# Altium PCB Cueing-PCB-Mk2_4302024.PcbDoc
Units mm, origin at the board's own origin, x right, y up, seen from the top; angles counter-clockwise.
Board outline 62.87 x 76.45 mm, 4 copper layers (Top Layer, Int1 (GND), Int2 (PWR), Bottom Layer), stack 1.586 mm thick; 109 components, 77 nets, 396 pads, 85 vias.
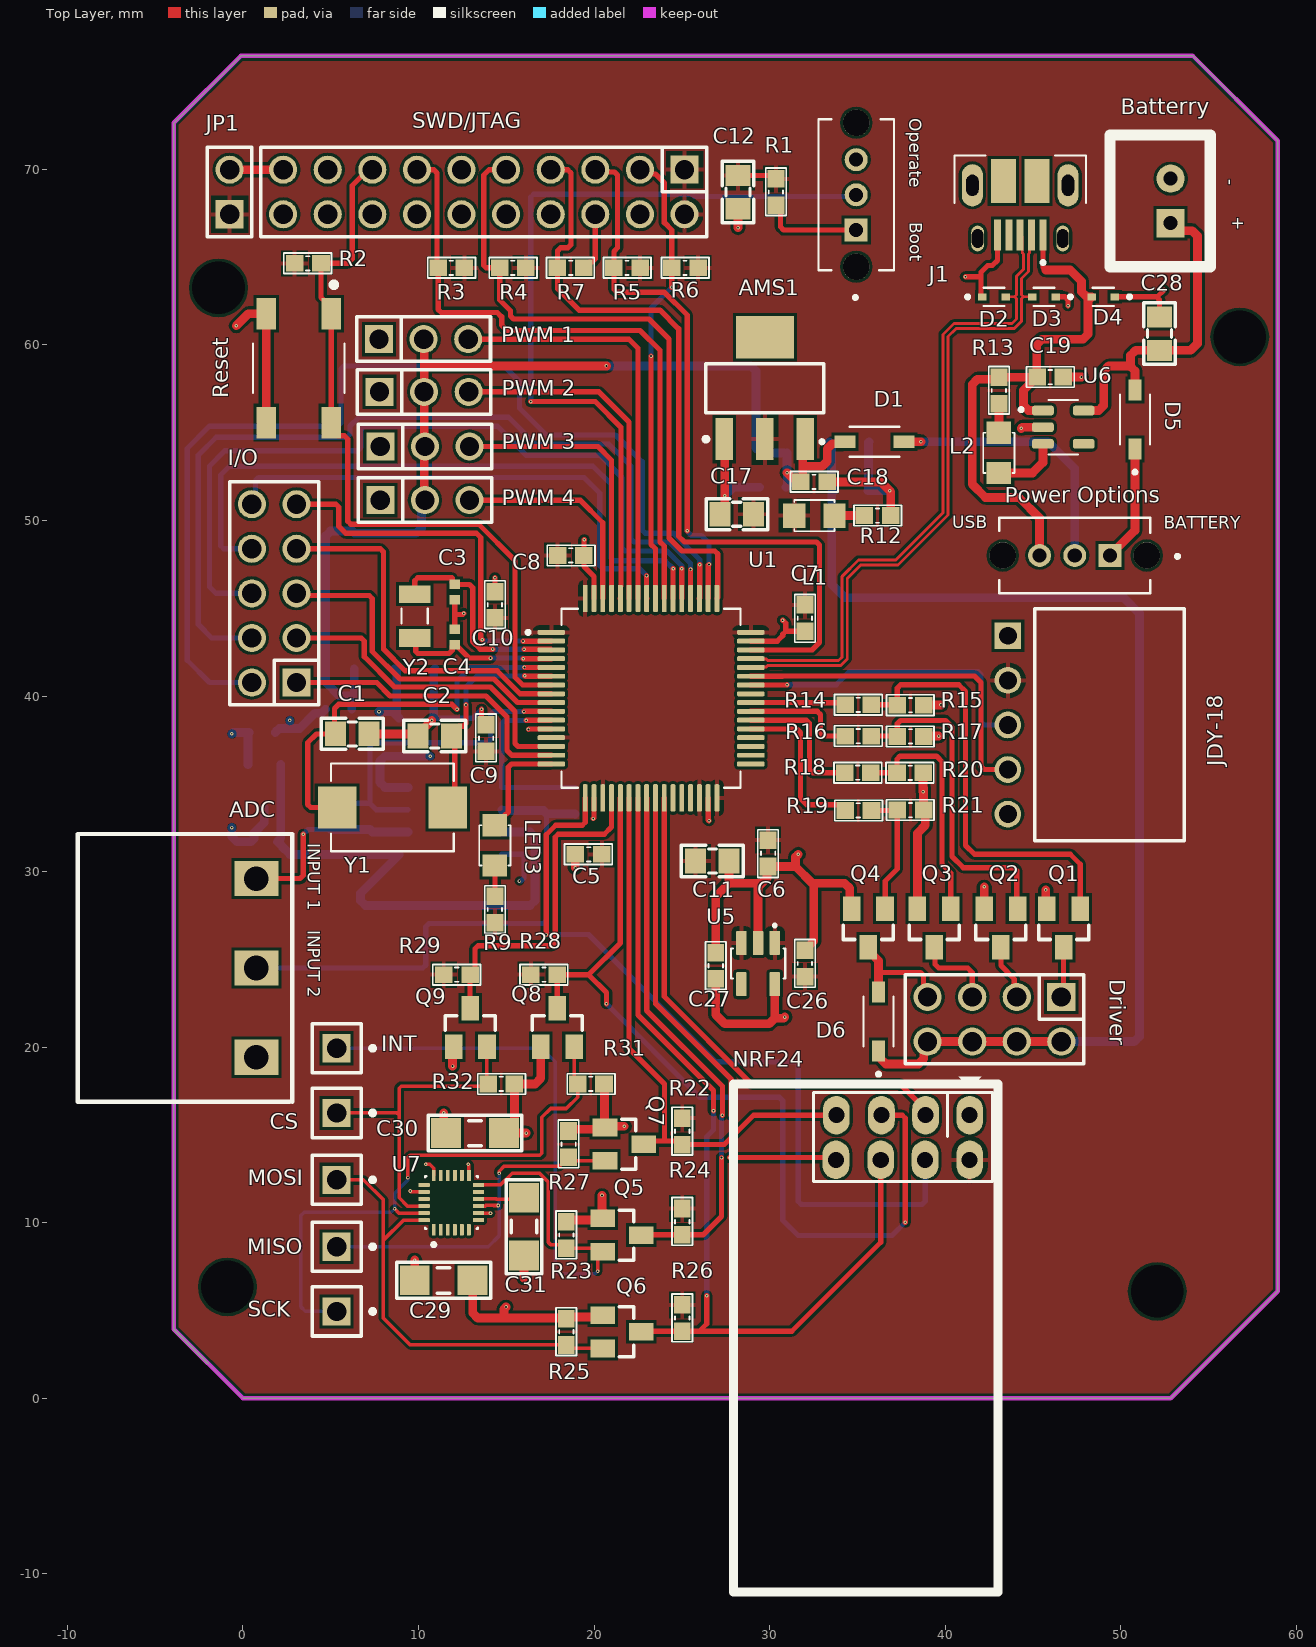
[diagram p0: Top Layer view]
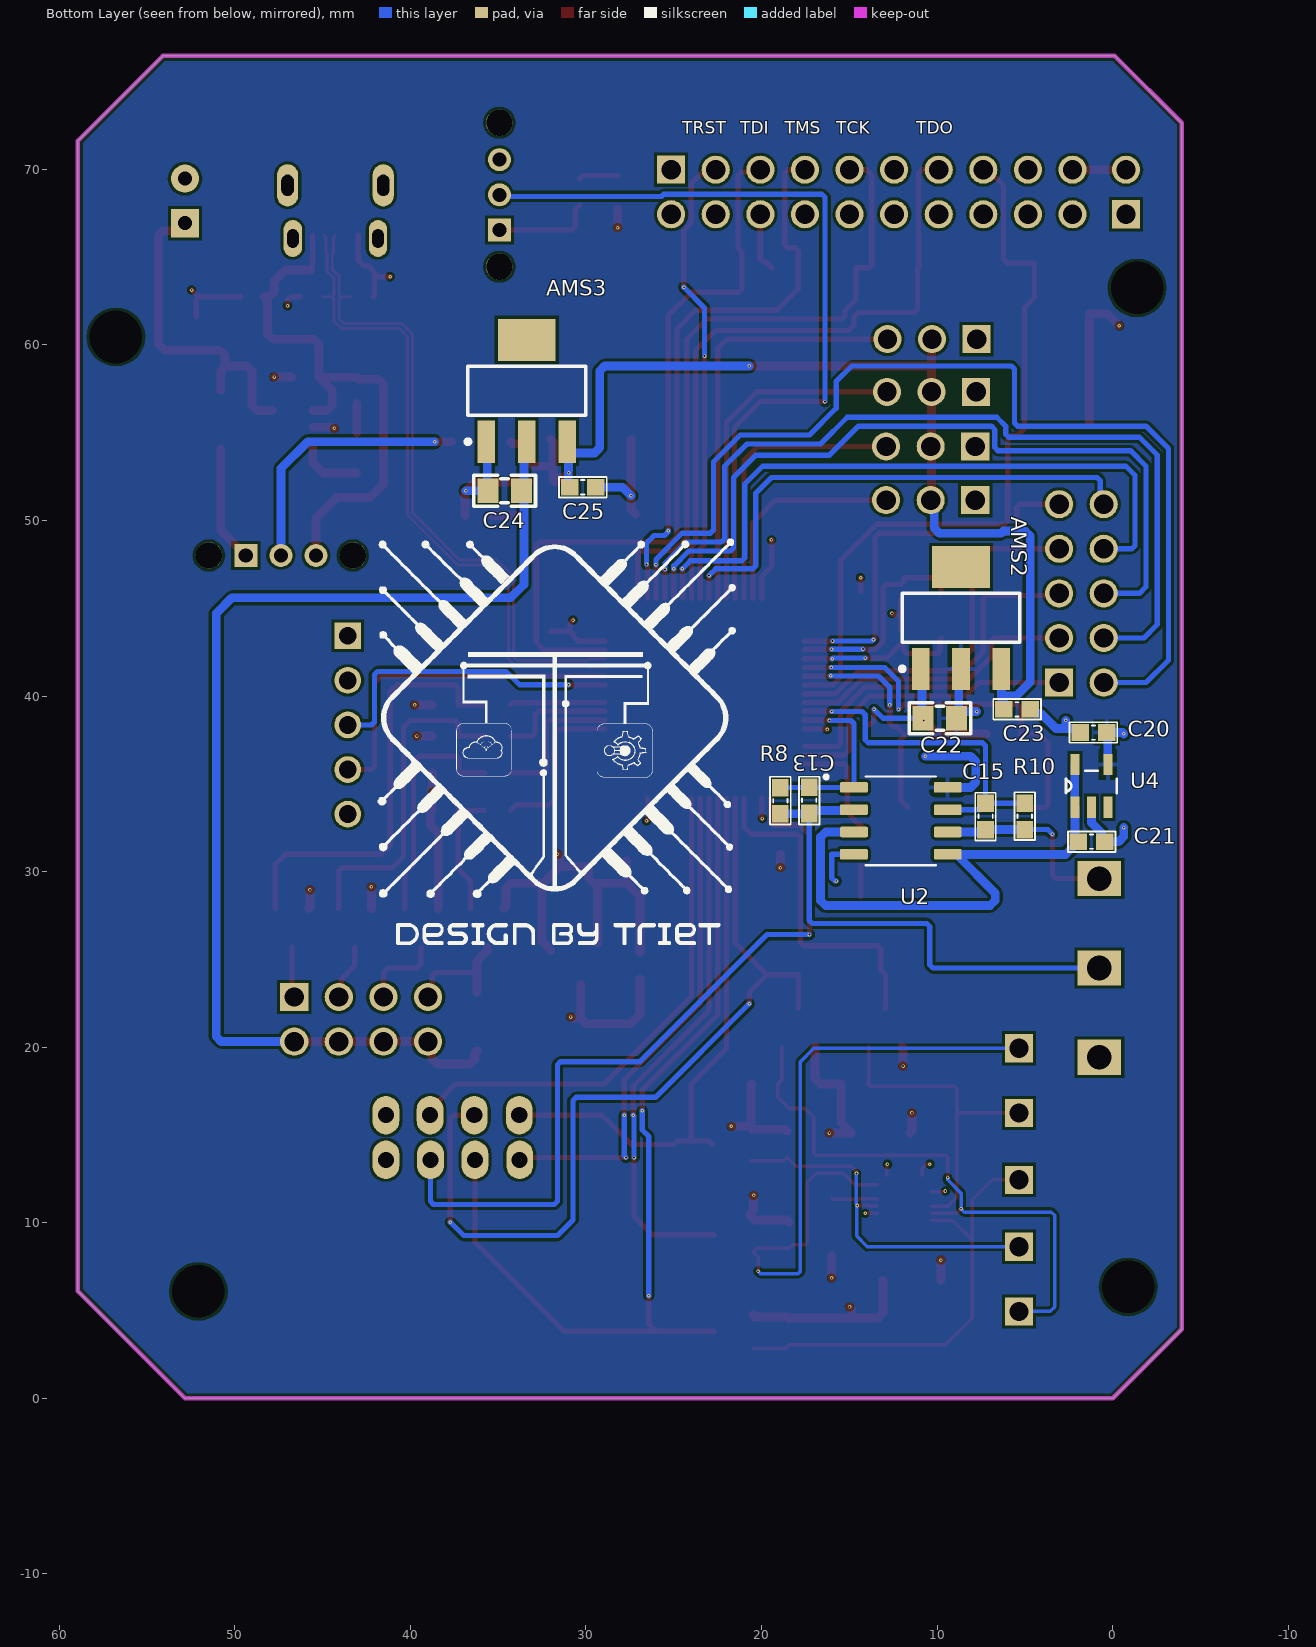
[diagram p1: Bottom Layer view, seen from below]
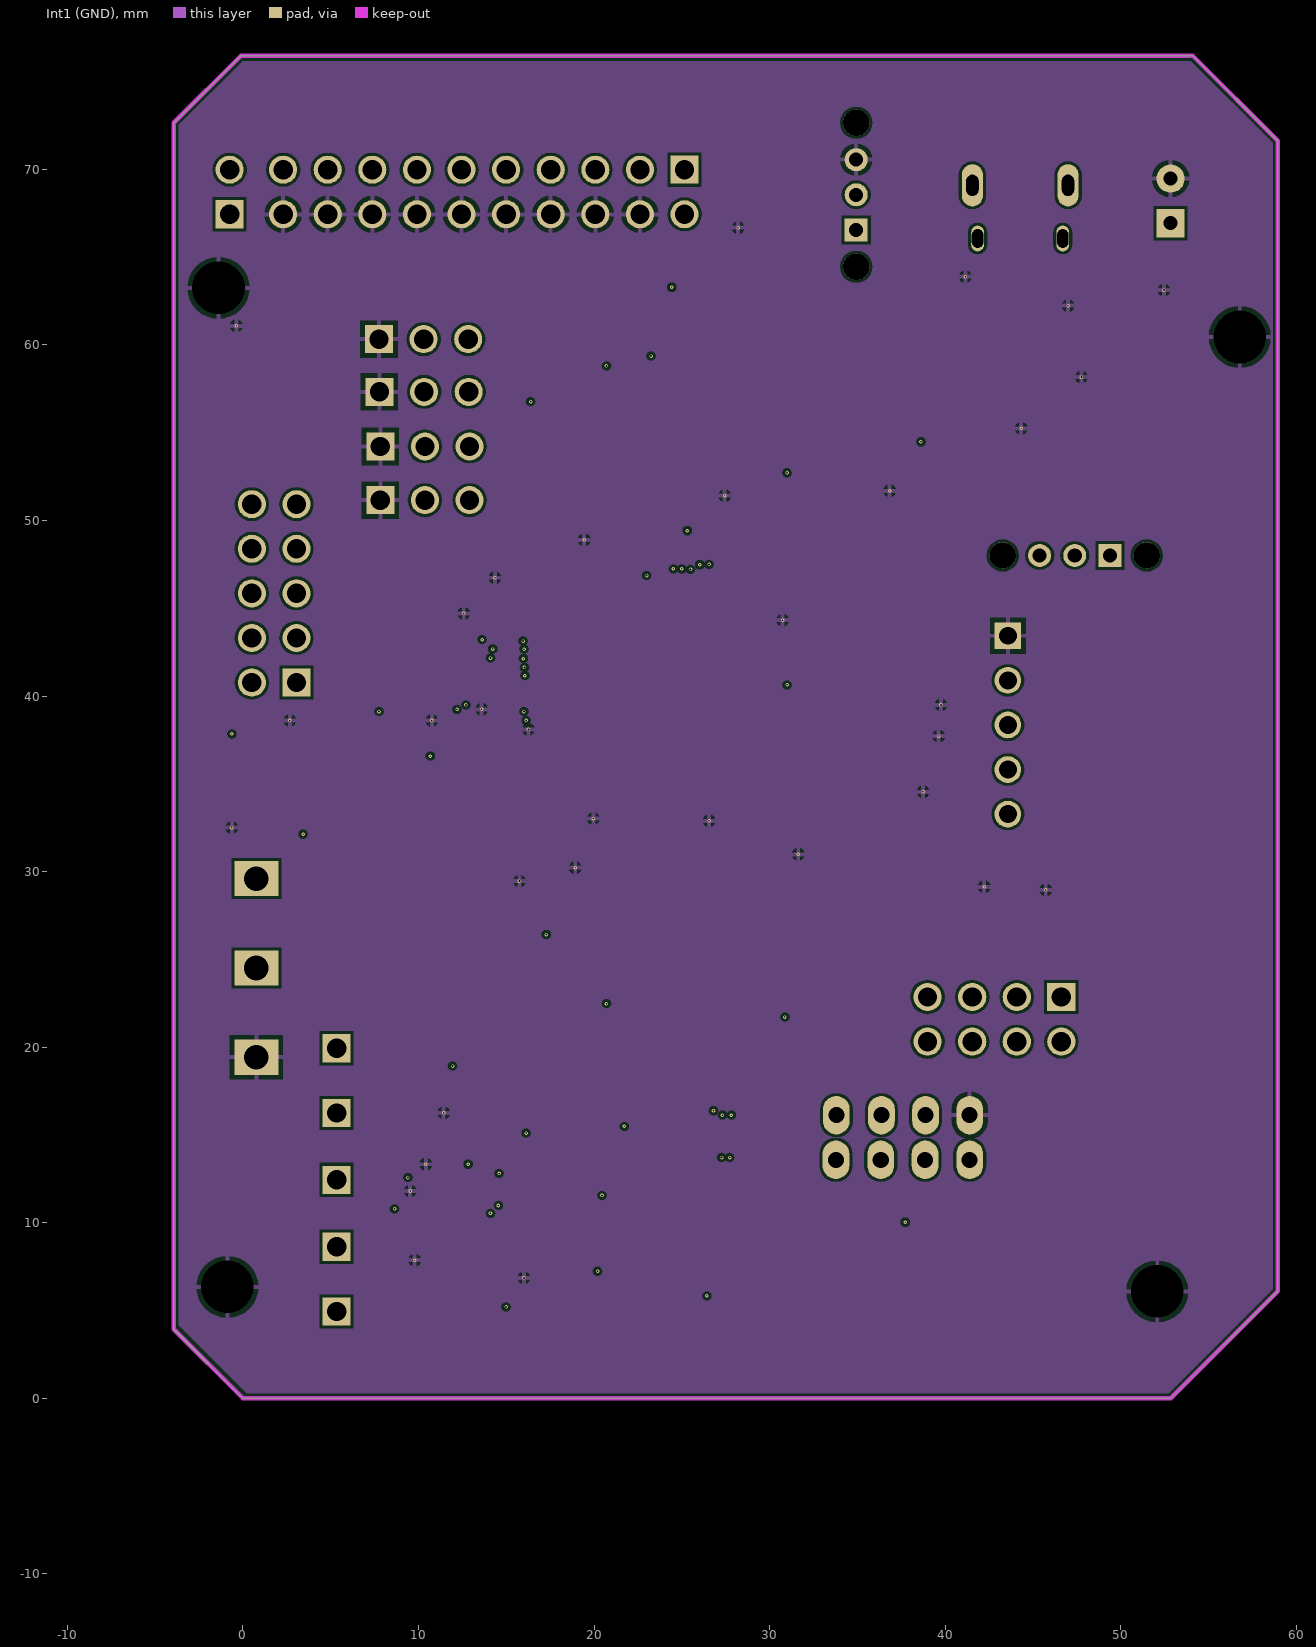
[diagram p2: Int1 (GND)]
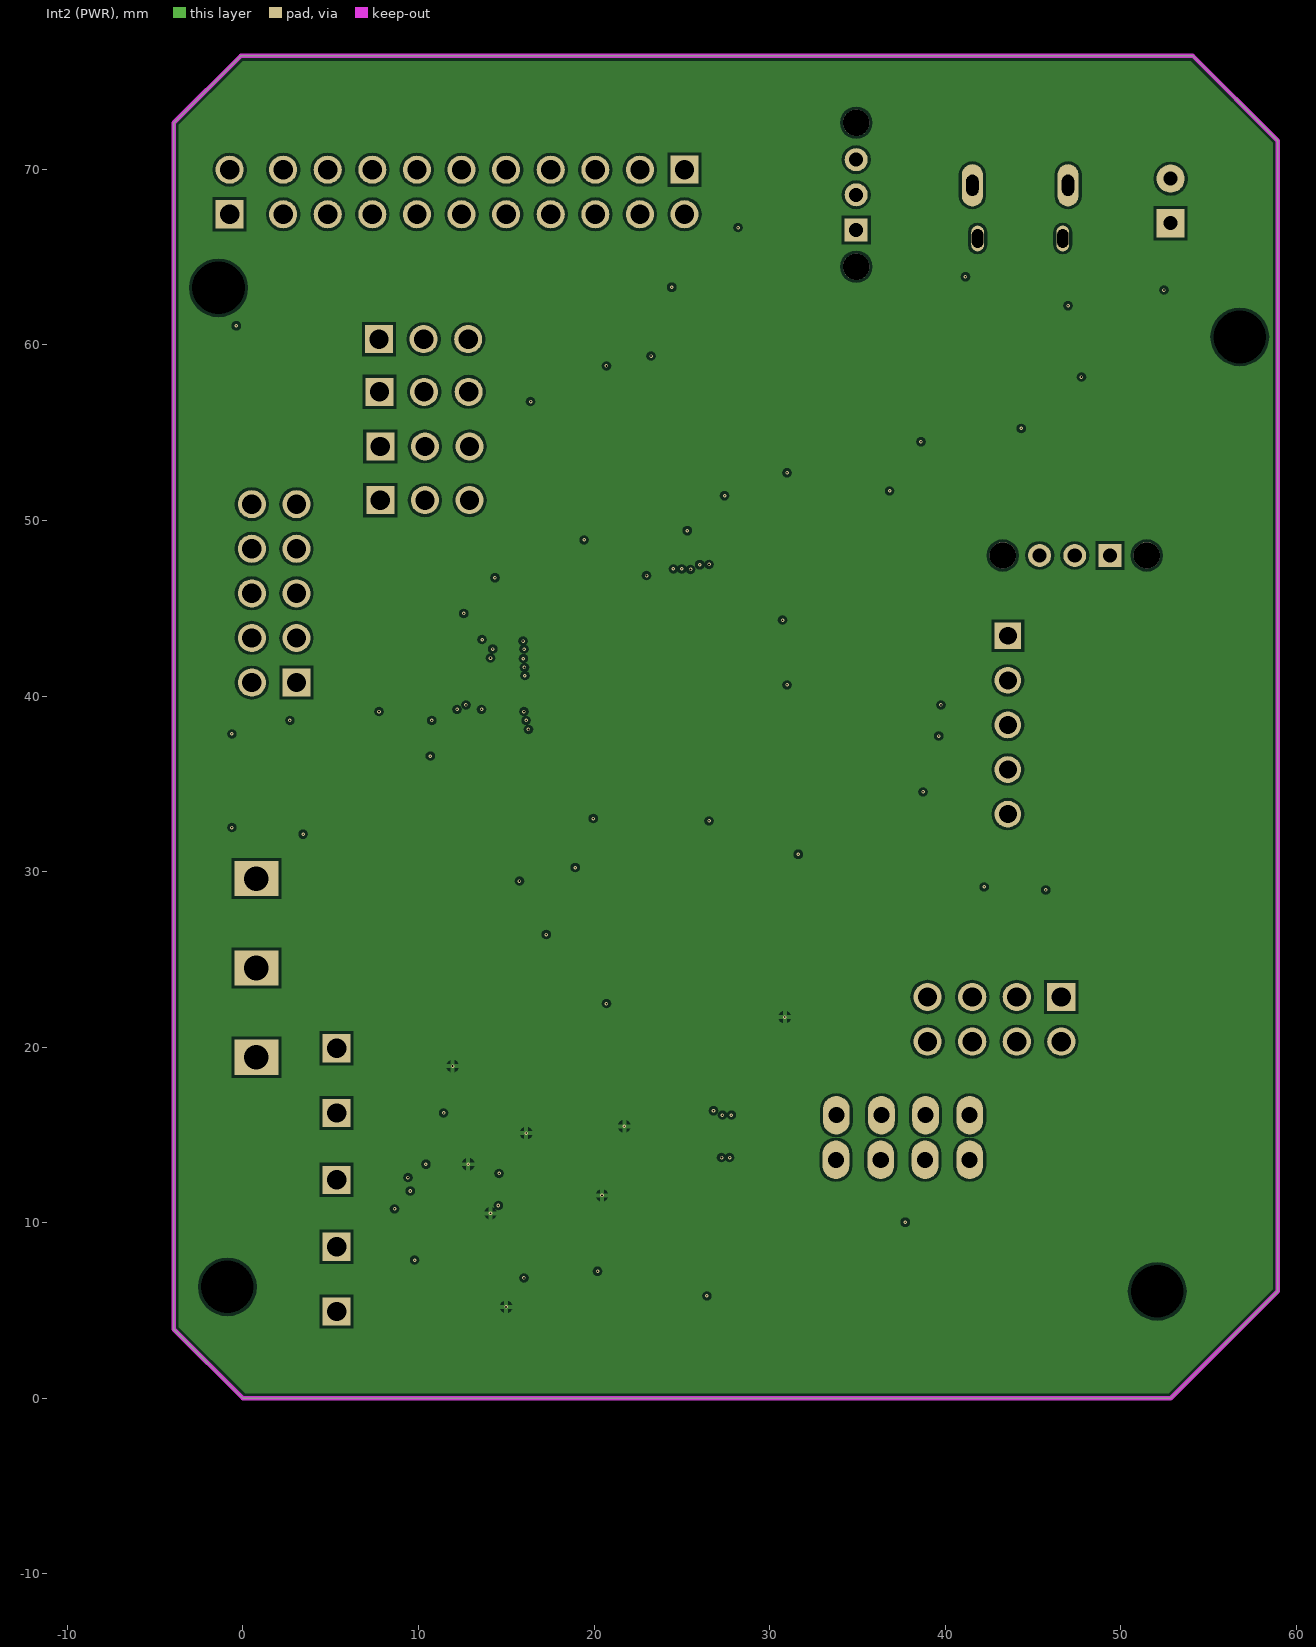
[diagram p3: Int2 (PWR)]

## Layer stack, top to bottom
Top Solder: solder mask 0.0254, SM-001, Dk 4
Top Layer: signal copper 0.035
Dielectric 1: prepreg 0.2104, PP-017, Dk 4.4
Int1 (GND): signal copper 0.0152
Dielectric 3: core 1.065, Core-039, Dk 4.6
Int2 (PWR): signal copper 0.0152
Dielectric 5: prepreg 0.2104, PP-017, Dk 4.4
Bottom Layer: signal copper 0.035
Bottom Solder: solder mask 0.0254, SM-001, Dk 4

## Board outline
-3.937,3.937 -3.937,72.644 -0.127,76.454 54.102,76.454 58.928,71.628 58.928,6.096 52.832,0 0,0

## Design rules (kind name [scope] priority, off if disabled: settings)
Clearance [All] p1: gap=0.16 ignorepadtopadclearanceinfootprint=FALSE
DiffPairsRouting [All] p1: maxlimit=0.254 minlimit=0.127 mostfreqgap=0.254 toplayer_maxgap=0.127 toplayer_prefgap=0.127 toplayer_minwidth=0.165 toplayer_maxwidth=0.165 toplayer_prefwidth=0.165 bottomlayer_maxgap=0.127 bottomlayer_prefgap=0.127 bottomlayer_minwidth=0.165 bottomlayer_maxwidth=0.165 bottomlayer_prefwidth=0.165 impedanceprofiledriven=TRUE impedanceprofileid={08362868-FA3C-41AC-94A4-46596695BF42} impedanceprofilevalue=90.000000 maxuncoupledlength=12.7
HoleSize [All] p1: absolutevalues=TRUE maxlimit=6 minlimit=0.01 maxpercent=80.000 minpercent=20.000
PolygonConnect [All] p1: connectstyle=Relief reliefconductorwidth=0.254 reliefentries=4 polygonreliefangle="90 Angle" airgapwidth=0.254
RoomDefinition Peripherial [InComponentClass('Peripherial')] p1: confinementstyle=ConfineIn formatcopy=TRUE lockcomponents=FALSE outline 106.172,21.209 255.397,21.209 255.397,53.721 106.172,53.721
RoomDefinition STM32_MCU [InComponentClass('STM32_MCU')] p2: confinementstyle=ConfineIn formatcopy=TRUE lockcomponents=FALSE outline 106.172,74.803 315.087,74.803 315.087,103.251 106.172,103.251
RoomDefinition PWR_SRC [InComponentClass('PWR_SRC')] p3: confinementstyle=ConfineIn formatcopy=TRUE lockcomponents=FALSE outline 106.172,55.118 296.418,55.118 296.418,73.533 106.172,73.533
RoomDefinition Driver [InComponentClass('Driver')] p4: confinementstyle=ConfineIn formatcopy=TRUE lockcomponents=FALSE outline 106.172,6.731 183.007,6.731 183.007,19.939 106.172,19.939
RoomDefinition ADC [InComponentClass('ADC')] p5: confinementstyle=ConfineIn formatcopy=TRUE lockcomponents=FALSE outline 106.172,-22.987 174.244,-22.987 174.244,5.461 106.172,5.461
RoutingVias [All] p1: holewidth=0.1 width=0.2 viastyle="Through Hole" minholewidth=0.1 minwidth=0.2 maxholewidth=0.1 maxwidth=0.2
SilkToSolderMaskClearance [IsText] p1: minsilkscreentomaskgap=0.254 clearancetoexposedcopper=TRUE
SolderMaskExpansion [All] p1: expansion=0.102 istentingtop=FALSE
Width [All] p1: maxlimit=0.5 minlimit=0.2 preferedwidth=0.3 midlayer1_minwidth=0.254 midlayer1_maxwidth=0.254 midlayer1_prefwidth=0.254 midlayer2_minwidth=0.254 midlayer2_maxwidth=0.254 midlayer2_prefwidth=0.254 minimp=50.000000 maximp=50.000000 favimp=50.000000
27 further rules are at their usual default settings.

## Classes and differential pairs
differential pair class diff90: USB
component class STM32_MCU: Boot C1 C2 C3 C4 C5 C6 C7 C8 C9 C10 C11 C12 I/O JP1 LED3 "PWM 1" "PWM 2" "PWM 3" "PWM 4" R1 R2 R3 R4 R5 R6 R7 R9 Reset SWD/JTAG U1 Y1 Y2
component class PWR_SRC: AMS1 AMS2 AMS3 Batterry C17 C18 C19 C20 C21 C22 C23 C24 C25 C26 C27 C28 D1 D2 D3 D4 D5 J1 L1 L2 mcu "Power Options" R12 R13 U4 U5 U6
component class Peripherial: C29 C30 C31 CS INT JDY-18 MISO MOSI NRF24 Q5 Q6 Q7 Q8 Q9 R22 R23 R24 R25 R26 R27 R28 R29 R31 R32 SCK U7
component class Driver: D6 Driver Q1 Q2 Q3 Q4 R14 R15 R16 R17 R18 R19 R20 R21
component class ADC: ADC C13 C15 R8 R10 U2
differential pair USB: +USB_P -USB_N

## Components (designator, comment, footprint, x,y, rotation, side; value= is the part's Value field where it differs from the comment)
ADC "CON 3 EDG5.08" "CON 3 3EDG5.08" 0.762,19.431 r90 top
AMS1 "AMS1117-3.3V" SOT223 29.718,57.531 r0 top value="AMS1117-3.3V SOT223"
AMS2 "AMS1117-3.3V" SOT223 8.636,44.45 r180 bottom value="AMS1117-3.3V SOT223"
AMS3 "AMS1117-3.3V" SOT223 33.368,57.384 r180 bottom value="AMS1117-3.3V SOT223"
Batterry "Batterry" XH2.54M-2 52.832,66.929 r90 top
Boot "OS102011MS2QN1" SW_OS102011MS2QN1 34.925,68.548 r90 top
C1 "20pF" "tu 0805" 6.223,37.846 r0 top
C2 "20pF" "tu 0805" 10.922,37.719 r180 top
C3 "GRM1555C1H120JA01D" CAPC1005X55N 12.065,45.926 r90 top
C4 "GRM1555C1H120JA01D" CAPC1005X55N 12.065,43.366 r270 top
C5 "103" "tu 0603" 19.685,30.988 r180 top
C6 "103" "tu 0603" 29.904,31.044 r270 top
C7 "103" "tu 0603" 32.004,44.438 r270 top
C8 "103" "tu 0603" 18.669,48.006 r0 top
C9 "103" "tu 0603" 13.843,37.604 r90 top
C10 "103" "tu 0603" 14.351,45.2 r90 top
C11 "225" "tu 0805" 26.727,30.61 r0 top
C12 "225" "tu 0805" 28.194,68.707 r270 top
C13 "470pF" "tu 0603" 17.287,34.061 r270 bottom
C15 "470pF" "tu 0603" 7.239,33.147 r270 bottom
C17 "224" "tu 0805" 28.123,50.351 r180 top
C18 "106" "tu 0603" 32.524,52.197 r0 top
C19 "106" "tu 0603" 45.974,58.166 r0 top
C20 "105" "tu 0603" 1.087,37.922 r0 bottom
C21 "105" "tu 0603" 1.202,31.705 r180 bottom
C22 "224" "tu 0805" 9.836,38.732 r0 bottom
C23 "106" "tu 0603" 5.449,39.243 r180 bottom
C24 "224" "tu 0805" 34.623,51.689 r0 bottom
C25 "106" "tu 0603" 30.18,51.891 r180 bottom
C26 "105" "tu 0603" 32.004,24.765 r90 top
C27 "105" "tu 0603" 26.924,24.638 r90 top
C28 "10pF" "tu 0805" 52.194,60.636 r90 top
C29 "104" "tu 1206" 11.431,6.731 r180 top
C30 "104" "tu 1206" 13.208,15.113 r180 top
C31 "104" "tu 1206" 16.002,9.779 r270 top
CS "JP 1x1 2.54" "JP 1x1 DT" 5.334,16.256 r270 top (schematic designator JP10)
D1 "1N5819HW-7-F" SOD3715X145N 35.97,54.483 r0 top
D2 "LESD5D5.0CT1G" TVS_LESD5D5.0CT1G 42.774,62.738 r0 top
D3 "LESD5D5.0CT1G" TVS_LESD5D5.0CT1G 45.618,62.738 r180 top
D4 "LESD5D5.0CT1G" TVS_LESD5D5.0CT1G 48.991,62.738 r180 top
D5 "1N5819HW-7-F" SOD3715X145N 50.8,55.753 r90 top
D6 "1N5819HW-7-F" SOD3715X145N 36.195,21.463 r90 top
Driver "JP 2x4 2.54" "JP 2x4 DT" 42.799,21.59 r180 top (schematic designator Driver1)
I/O "JP 2x5 2.54" "JP 2x5 DT" 1.778,45.847 r90 top (schematic designator I/O2)
INT "JP 1x1 2.54" "JP 1x1 DT" 5.334,19.939 r270 top (schematic designator JP6)
J1 "10103594-0001LF" AMPHENOL_10103594-0001LF 44.265,69.088 r180 top
JDY-18 "JP 1x5 2.54" "JP 1x5 CC" 43.561,38.354 r270 top
JP1 "JP 1x2 2.54" "JP 1x2 DT" -0.762,67.437 r90 top
L1 "LED 0805" LED-0805-Green 31.4,50.28 r0 top
L2 "LED 0805" LED-0805-Red 43.053,54.991 r270 top
LED3 "LED 0805" LED-0805-Yellow 14.351,30.353 r90 top
MISO "JP 1x1 2.54" "JP 1x1 DT" 5.334,8.636 r270 top (schematic designator JP7)
MOSI "JP 1x1 2.54" "JP 1x1 DT" 5.334,12.446 r270 top (schematic designator JP9)
NRF24 "NRF24L01 Module" NRF24L01 41.389,16.129 r180 top (schematic designator MD1)
"Power Options" "OS102011MS2QN1" SW_OS102011MS2QN1 47.371,48.006 r180 top
"PWM 1" "JP 1x3 2.54" "JP 1x3 DT" 7.747,60.325 r0 top (schematic designator JP2)
"PWM 2" "JP 1x3 2.54" "JP 1x3 DT" 7.774,57.325 r0 top (schematic designator JP3)
"PWM 3" "JP 1x3 2.54" "JP 1x3 DT" 7.823,54.212 r0 top (schematic designator JP4)
"PWM 4" "JP 1x3 2.54" "JP 1x3 DT" 7.823,51.156 r0 top (schematic designator JP5)
Q1 "SI2312" SOT23 46.736,26.797 r180 top
Q2 "SI2312" SOT23 43.165,26.797 r180 top
Q3 "SI2312" SOT23 39.362,26.797 r180 top
Q4 "SI2312" SOT23 35.615,26.797 r180 top
Q5 "SI2312" SOT23 21.588,9.301 r270 top
Q6 "SI2312" SOT23 21.588,3.792 r270 top
Q7 "SI2312" SOT23 21.717,14.478 r270 top
Q8 "SI2312" SOT23 17.907,21.125 r0 top
Q9 "SI2312" SOT23 12.946,21.125 r0 top
R1 "10k" "tro smd 0603" 30.353,68.707 r90 top
R2 "10k" "tro smd 0603" 3.695,64.643 r180 top
R3 "10k" "tro smd 0603" 11.864,64.389 r0 top
R4 "10k" "tro smd 0603" 15.367,64.389 r0 top
R5 "10k" "tro smd 0603" 21.874,64.389 r0 top
R6 "10k" "tro smd 0603" 25.175,64.389 r0 top
R7 "10k" "tro smd 0603" 18.658,64.389 r180 top
R8 "3.9k" "tro smd 0603" 18.923,34.036 r90 bottom
R9 "1k" "tro smd 0603" 14.351,27.844 r270 top
R10 "3.9k" "tro smd 0603" 5.005,33.147 r90 bottom
R12 "1k" "tro smd 0603" 36.141,50.28 r0 top
R13 "1k" "tro smd 0603" 43.053,57.404 r90 top
R14 "1k" "tro smd 0603" 35.04,39.497 r0 top
R15 "10k" "tro smd 0603" 38.016,39.483 r180 top
R16 "1k" "tro smd 0603" 35.04,37.719 r0 top
R17 "10k" "tro smd 0603" 38.016,37.698 r180 top
R18 "1k" "tro smd 0603" 35.011,35.636 r0 top
R19 "1k" "tro smd 0603" 35.044,33.482 r0 top
R20 "10k" "tro smd 0603" 37.998,35.628 r180 top
R21 "10k" "tro smd 0603" 38.015,33.507 r180 top
R22 "2.2k" "tro smd 0603" 25.017,15.206 r90 top
R23 "2.2k" "tro smd 0603" 18.413,9.303 r90 top
R24 "2.2k" "tro smd 0603" 25.017,10.065 r90 top
R25 "2.2k" "tro smd 0603" 18.413,3.792 r90 top
R26 "2.2k" "tro smd 0603" 25.017,4.574 r90 top
R27 "2.2k" "tro smd 0603" 18.542,14.478 r90 top
R28 "2.2k" "tro smd 0603" 17.145,24.13 r180 top
R29 "2.2k" "tro smd 0603" 12.184,24.13 r180 top
R31 "2.2k" "tro smd 0603" 19.812,17.907 r0 top
R32 "2.2k" "tro smd 0603" 14.712,17.907 r0 top
Reset "SKQGAFE010" SW_SKQGAFE010 3.175,58.674 r270 top
SCK "JP 1x1 2.54" "JP 1x1 DT" 5.334,4.953 r270 top (schematic designator JP8)
SWD/JTAG "JP 2x10 2.54" "JP 2x10 DT" 13.716,68.707 r180 top
U1 "STM32F446RET6" QFP50P1200X1200X160-64N 23.241,39.878 r0 top
U2 "OPA2335AID" SOIC127P599X175-8N 12.065,32.893 r180 bottom
U4 "LT6650IS5#TRPBF" SOT95P280X100-5N 1.214,34.88 r90 bottom
U5 "AP7331-18WG-7" SOT95P285X145-5N 29.337,24.765 r270 top
U6 "MAX1555EZK+T" SOT95P275X110-5N 46.719,55.311 r0 top
U7 "ICM-20948" QFN40P300X300X105-24N 11.865,11.155 r90 top
Y1 "ECS-80-20-20A-TR" XTAL_ECS-80-20-20A-TR 8.509,33.655 r0 top
Y2 "CM7V-T1A-32.768KHZ-12.5PF-100PPM-TB-QC" XTAL_CM7V-T1A-32.768KHZ-12.5PF-100PPM-TB-QC 9.779,44.557 r270 top

## Footprints (in the part's own frame and the unit in brackets; to place one, negate y for a bottom-side part, rotate by r counter-clockwise, add the part's x,y. Pads: shape width x height; smd on the part's side, far side on the other; paste and mask are expansions set on the pad)
AMPHENOL_10103594-0001LF [mm]
  rect 0.4x1.75 smd: 1(-1.3,2.825) 2(-0.65,2.825) 3(0,2.825) 4(0.65,2.825) 5(1.3,2.825)
  oval 0.73x1.46 hole 0.65 slot 1.05 at 90 deg mask+0: 6(-2.425,3.03) 7(2.425,3.03)
  oval 1.2x2.4 hole 0.7 slot 1.2 at 90 deg: 8(-2.725,0) 9(2.725,0)
  oval 1.05x2.1 smd far side paste-2: 10(-2.425,3.03) 11(2.425,3.03)
  rect 1.425x2.5 smd: S1(-0.962,-0.25) S2(0.962,-0.25)
  silkscreen extent -3.75,-1.7 3.75,4.5, body extent -4.02,-4.15 4.02,1.88, height 2.95
CAPC1005X55N [mm]
  rect 0.54x0.6 smd: 1(-0.432,0) 2(0.432,0)
  body extent -0.5,-0.25 0.5,0.25, height 0.55
"CON 3 3EDG5.08" [mm]
  rect 2x2.5 hole 1.4: 1(0,0) 2(5.08,0) 3(10.173,0)
  silkscreen extent -2.54,-2.03 12.71,10.16, body extent -2.5,-1.75 12.67,10.25, height 3.15
"JP 1x1 DT" [mm] "1pins, 1 row, straight, gold plating"
  rect 1.6x1.6 hole 1.1: 1(0,0)
  silkscreen extent -1.4,-1.4 1.4,2.18, body extent -1.27,-1.27 1.27,1.27, height 8.54
"JP 1x2 DT" [mm] "2 pins, 1 row, straight, gold plating"
  rect 1.6x1.6 hole 1.1: 1(0,0)
  round 1.6 hole 1.1: 2(2.54,0)
  silkscreen extent -1.27,-1.27 3.81,1.27, body extent -1.27,-1.27 3.81,1.27, height 8.54
"JP 1x3 DT" [mm]
  rect 1.6x1.6 hole 1.1: 1(0,0)
  round 1.6 hole 1.1: 2(2.54,0) 3(5.08,0)
  silkscreen extent -1.27,-1.27 6.35,1.27, body extent -1.27,-1.27 6.35,1.27, height 8.54
"JP 1x5 CC" [mm]
  rect 1.52x1.52 hole 1.02: 1(-5.08,0)
  round 1.52 hole 1.02: 2(-2.54,0) 3(0,0) 4(2.54,0) 5(5.08,0)
  silkscreen extent -6.6,1.52 6.6,10.05, body extent -6.6,-0.25 6.6,10.05, height 2.51
"JP 2x4 DT" [mm]
  rect 1.61x1.6 hole 1.1: 1(-3.81,-1.27)
  oval 1.61x1.6 hole 1.1: 2(-1.27,-1.27) 3(1.27,-1.27) 4(3.81,-1.27) 5(3.81,1.27) 6(1.27,1.27) 7(-1.27,1.27) 8(-3.81,1.27)
  silkscreen extent -5.08,-2.54 5.08,2.54, body extent -5.08,-2.54 5.08,2.54, height 8.55
"JP 2x5 DT" [mm] "10 pins, dual pin, straight, gold plating"
  rect 1.6x1.6 hole 1.1: 1(-5.08,-1.27)
  round 1.6 hole 1.1: 2(-2.54,-1.27) 3(0,-1.27) 4(2.54,-1.27) 5(5.08,-1.27) 6(5.08,1.27) 7(2.54,1.27) 8(0,1.27) 9(-2.54,1.27) 10(-5.08,1.27)
  silkscreen extent -6.35,-2.54 6.35,2.54, body extent -6.35,-2.54 6.35,2.54, height 8.55
"JP 2x10 DT" [mm] "20 pins, dual pin, straight, gold plating"
  rect 1.6x1.6 hole 1.1: 1(-11.43,-1.27)
  round 1.6 hole 1.1: 2(-8.89,-1.27) 3(-6.35,-1.27) 4(-3.81,-1.27) 5(-1.27,-1.27) 6(1.27,-1.27) 7(3.81,-1.27) 8(6.35,-1.27) 9(8.89,-1.27) 10(11.43,-1.27) 11(11.43,1.27) 12(8.89,1.27) 13(6.35,1.27) 14(3.81,1.27) 15(1.27,1.27) 16(-1.27,1.27) 17(-3.81,1.27) 18(-6.35,1.27) 19(-8.89,1.27) 20(-11.43,1.27)
  silkscreen extent -12.7,-2.54 12.7,2.54, body extent -12.7,-2.54 12.7,2.54, height 8.55
LED-0805-Green [mil]
  rect 50x55 smd: 1(0,0) 2(90,0)
  silkscreen extent 0,-35 90,35, body extent 5,-25 85,25, height 43
LED-0805-Red [mil]
  rect 50x55 smd: 1(0,0) 2(90,0)
  silkscreen extent 0,-35 90,35, body extent 5,-25 85,25, height 43
LED-0805-Yellow [mil]
  rect 50x55 smd: 1(0,0) 2(90,0)
  silkscreen extent 0,-35 90,35, body extent 5,-25 85,25, height 43
NRF24L01 [mil]
  oval 60x86 hole 36: 1(0,0) 2(0,100) 3(99,0) 4(100,100) 5(198,0) 6(199.5,100) 7(299,0) 8(300,100)
  silkscreen extent -63,-86 530,1069, body extent -73,-74 518,1068, height 588
QFN40P300X300X105-24N [mm]
  rrect25% 0.64x0.22 smd: 1(-1.545,1) 2(-1.545,0.6) 3(-1.545,0.2) 4(-1.545,-0.2) 5(-1.545,-0.6) 6(-1.545,-1) 13(1.545,-1) 14(1.545,-0.6) 15(1.545,-0.2) 16(1.545,0.2) 17(1.545,0.6) 18(1.545,1)
  rrect25% 0.22x0.64 smd: 7(-1,-1.545) 8(-0.6,-1.545) 9(-0.2,-1.545) 10(0.2,-1.545) 11(0.6,-1.545) 12(1,-1.545) 19(1,1.545) 20(0.6,1.545) 21(0.2,1.545) 22(-0.2,1.545) 23(-0.6,1.545) 24(-1,1.545)
  silkscreen extent -2.5,-1.5 1.5,1.5, body extent -1.5,-1.5 1.5,1.5, height 1
QFP50P1200X1200X160-64N [mm]
  rrect50% 1.56x0.28 smd: 1(-5.68,3.75) 2(-5.68,3.25) 3(-5.68,2.75) 4(-5.68,2.25) 5(-5.68,1.75) 6(-5.68,1.25) 7(-5.68,0.75) 8(-5.68,0.25) 9(-5.68,-0.25) 10(-5.68,-0.75) 11(-5.68,-1.25) 12(-5.68,-1.75) 13(-5.68,-2.25) 14(-5.68,-2.75) 15(-5.68,-3.25) 16(-5.68,-3.75) 33(5.68,-3.75) 34(5.68,-3.25) 35(5.68,-2.75) 36(5.68,-2.25) 37(5.68,-1.75) 38(5.68,-1.25) 39(5.68,-0.75) 40(5.68,-0.25) 41(5.68,0.25) 42(5.68,0.75) 43(5.68,1.25) 44(5.68,1.75) 45(5.68,2.25) 46(5.68,2.75) 47(5.68,3.25) 48(5.68,3.75)